# KiCad board rabbit_mask_capacitors.kicad_pcb (continued)
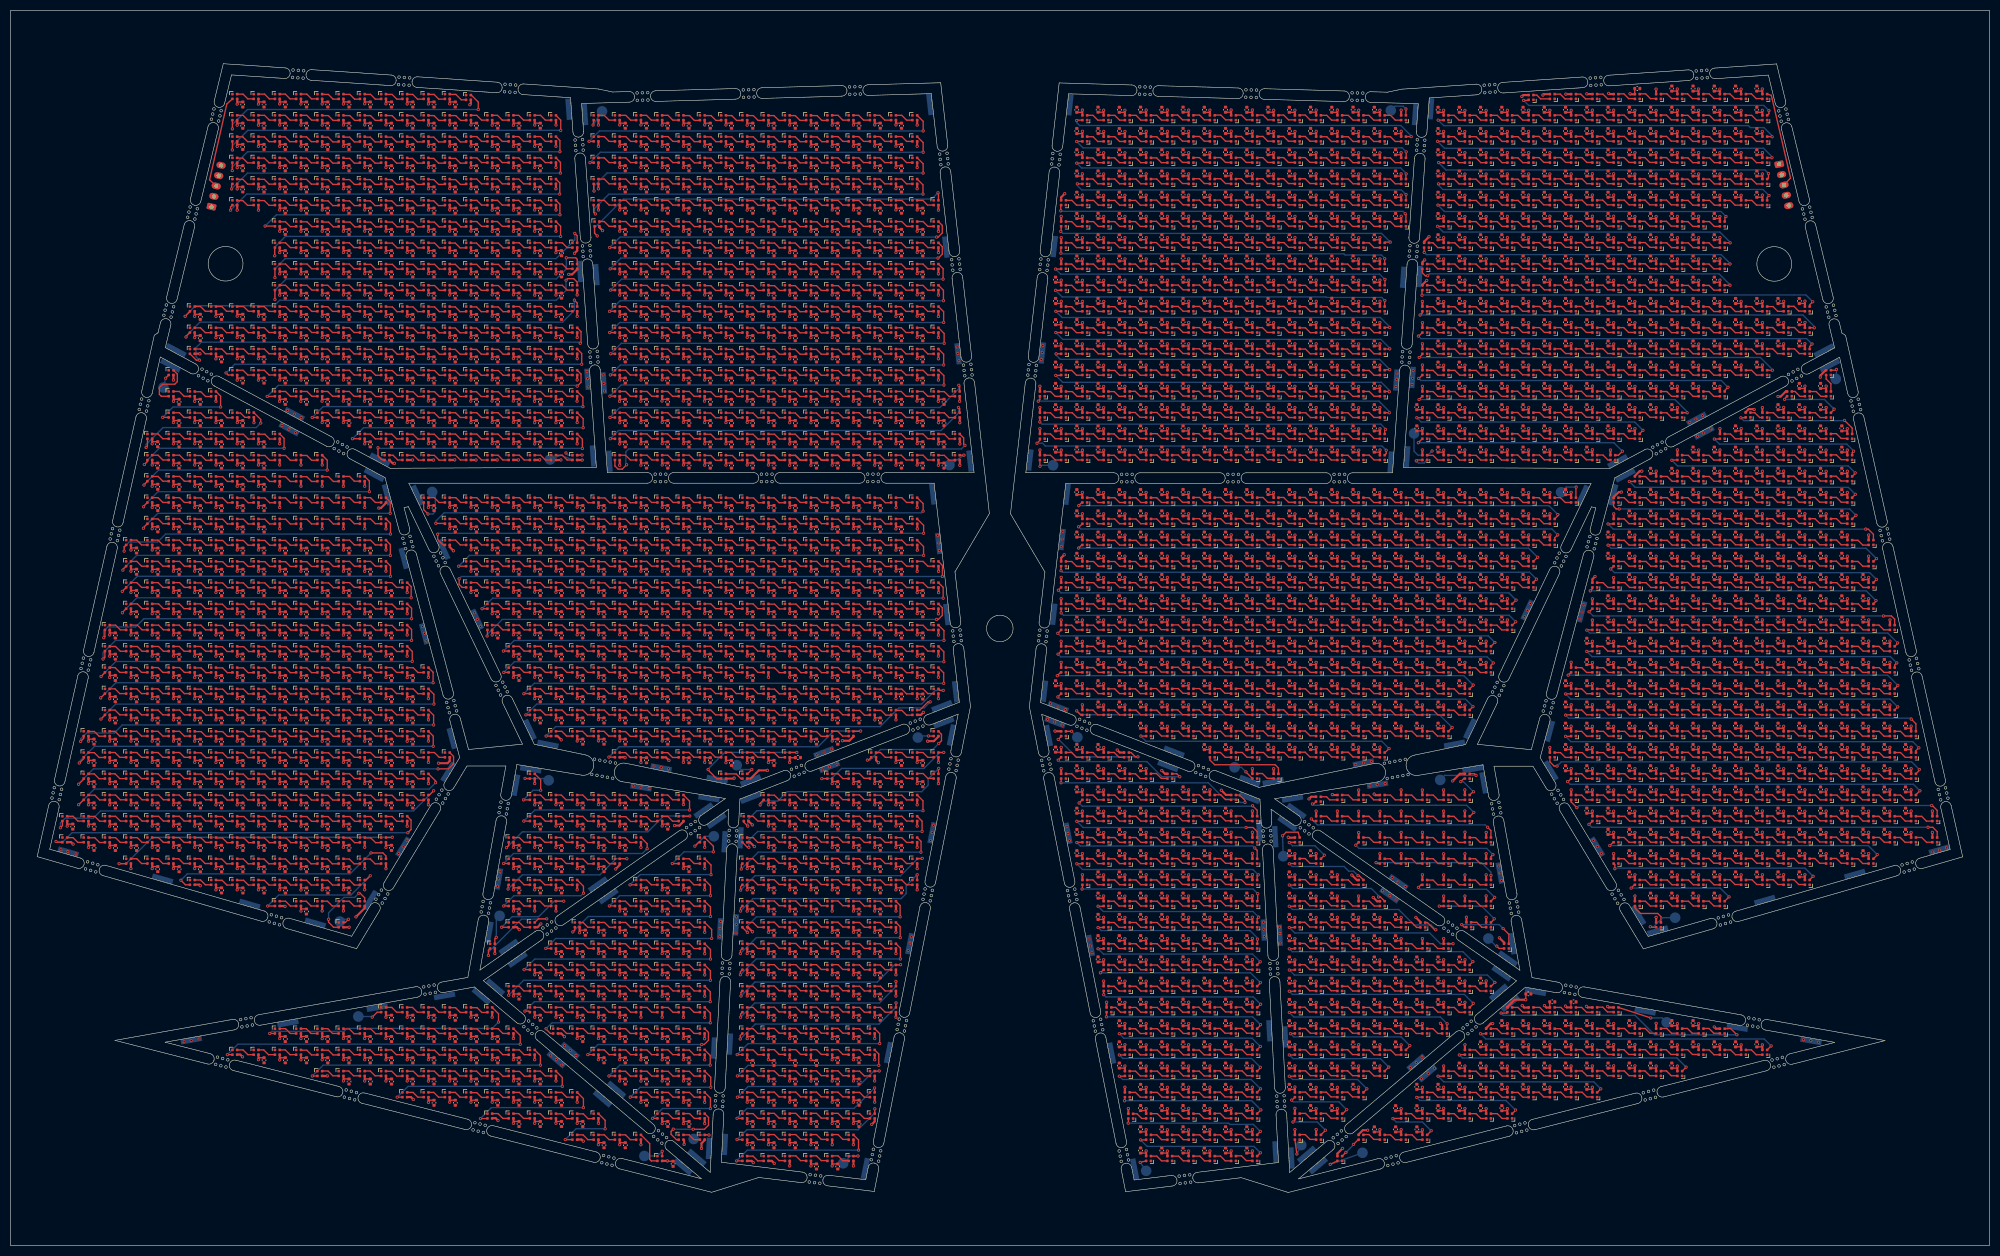
[diagram p0: board, top side]
## Routing (per net, layer and track width the routed paths; a pad name or vN(x,y) marks a point on that pad's centre or on a via; arc(x,y) is an arc through that point) (continued)
 ; 150.65,83.94 v1(150.65,82.96) ; 102.65,23.96 v1(102.65,22.99) ; 162.65,187.96 v1(162.65,186.99) ; D2900.2 v1(253.75,33.79) ; 146.65,139.94 v1(146.65,138.96) ; D2931.2 v1(289.75,29.79) ; 269.76,172.79 v1(269.76,173.76) ; 142.65,163.99 v1(142.65,163.01) ; D2808.2 v1(265.75,49.79) ; 269.76,136.79 v1(269.76,137.76) ; 158.65,155.94 v1(158.65,154.96) ; 245.75,28.79 v1(245.75,29.76) ; D2207.2 v1(285.75,129.79) ; 233.75,92.79 v1(233.75,93.76) ; D2118.2 v1(217.75,137.79) ; 201.75,104.81 v1(201.75,105.78) ; 58.65,175.94 v1(58.65,174.96) ; 353.76,84.82 v1(353.76,85.8) ; D1632.2 v1(221.75,197.79) ; 170.65,207.96 v1(170.65,206.99) ; 249.77,176.8 v1(249.77,177.77) ; 154.65,175.94 v1(154.65,174.96) ; 361.75,80.82 v1(361.75,81.8) ; 201.76,208.83 v1(201.76,209.81) ; 70.65,171.96 v1(70.65,170.99) ; 118.63,159.96 v1(118.63,158.99) ; 46.65,79.94 v1(46.65,78.96) ; 86.65,127.94 v1(86.65,126.96) ; 309.75,200.79 v1(309.75,201.76) ; 130.65,191.99 v1(130.65,191.01) ; 321.75,64.82 v1(321.75,65.8) ; 50.65,151.94 v1(50.65,150.96) ; 46.65,207.94 v1(46.65,206.96) ; 353.75,76.79 v1(353.75,77.76) ; 277.76,180.8 v1(277.76,181.78) ; D2868.2 v1(233.75,37.79) ; D2214.2 v1(325.75,129.79) ; 94.65,163.99 v1(94.65,163.01) ; 166.65,91.94 v1(166.65,90.96) ; 78.65,99.94 v1(78.65,98.96) ; 134.65,175.94 v1(134.65,174.96) ; 217.75,200.82 v1(217.75,201.8) ; 94.65,27.94 v1(94.65,26.96) ; D1096.2 v1(74.65,82.94) ; 70.65,207.99 v1(70.65,207.01) ; 273.76,172.79 v1(273.76,173.76) ; 197.75,96.82 196.64,96.82 v1(196.6,96.86) ; 98.65,31.94 v1(98.65,30.96) ; 62.65,155.94 v1(62.65,154.96) ; 142.65,135.94 v1(142.65,134.96) ; 66.65,31.94 v1(66.65,30.96) ; 154.67,115.94 v1(154.67,114.96) ; 205.75,204.79 v1(205.75,205.76) ; 221.76,152.82 v1(221.76,153.8) ; D2878.2 v1(285.75,37.79) ; 265.75,120.79 v1(265.75,121.76) ; 98.62,159.94 v1(98.62,158.96) ; 273.76,88.82 272.81,88.82 v1(271.45,87.46) ; 118.65,51.94 v1(118.65,50.96) ; 170.65,87.94 v1(170.65,86.96) ; 221.75,172.82 v1(221.75,173.8) ; 62.65,123.94 v1(62.65,122.96) ; 26.65,83.94 v1(26.65,82.96) ; 253.75,124.8 v1(253.75,125.77) ; 126.65,127.96 v1(126.65,126.99) ; 46.65,123.94 v1(46.65,122.96) ; 42.65,195.94 v1(42.65,194.96) ; 62.65,83.94 v1(62.65,82.96) ; 34.65,87.94 v1(34.65,86.96) ; 154.65,55.94 v1(154.65,54.96) ; D1038.2 v1(70.65,90.94) ; 138.65,103.96 v1(138.65,102.99) ; 221.75,200.82 v1(221.75,201.8) ; 261.75,24.79 v1(261.75,25.76) ; D2791.2 v1(265.75,53.79) ; 138.65,199.94 v1(138.65,198.96) ; 197.75,172.82 v1(197.75,173.8) ; D1359.2 v1(82.65,38.94) ; 98.65,71.94 v1(98.65,70.96) ; 58.65,191.96 v1(58.65,190.99) ; 174.65,111.96 v1(174.65,110.99) ; D1341.2 v1(126.65,42.94) ; 257.75,204.79 v1(257.75,205.76) ; 50.65,83.94 v1(50.65,82.96) ; 237.75,100.8 v1(237.75,101.77) ; 154.65,75.94 v1(154.65,74.96) ; 237.75,212.8 v1(237.75,213.77) ; 34.65,71.94 v1(34.65,70.96) ; 209.77,176.82 v1(209.77,177.8) ; 106.65,115.96 v1(106.65,114.99) ; 341.75,96.8 v1(341.75,97.78) ; 130.65,187.96 v1(130.65,186.99) ; 253.75,96.79 v1(253.75,97.76) ; 321.75,200.79 v1(321.75,201.76) ; 126.65,35.94 v1(126.65,34.96) ; 301.76,172.79 v1(301.76,173.76) ; 70.65,199.99 v1(70.65,199.01) ; 341.75,160.85 v1(341.75,161.82) ; 309.75,144.84 v1(309.75,145.81) ; 301.76,160.79 v1(301.76,161.77) ; 257.75,124.82 v1(257.75,125.8) ; 166.65,211.99 v1(166.65,211.01) ; 321.76,180.8 v1(321.76,181.78) ; 337.75,156.84 v1(337.75,157.81) ; 50.65,187.94 v1(50.65,186.96) ; 78.65,195.96 v1(78.65,194.99) ; 46.65,115.94 v1(46.65,114.96) ; D2620.2 v1(317.75,81.79) ; 118.65,95.96 v1(118.65,94.99) ; 98.65,119.99 v1(98.65,119.01) ; D1861.2 v1(213.75,169.79) ; 138.65,155.96 v1(138.65,154.99) ; 209.75,68.79 v1(209.75,69.76) ; 221.75,76.8 v1(221.75,77.78) ; 281.74,208.81 v1(281.74,209.79) ; 205.75,112.78 v1(205.75,113.75) ; 217.75,20.79 v1(217.75,21.76) ; 94.65,139.96 v1(94.65,138.99) ; v1(91.75,23.51) 91.3,23.96 90.65,23.96 ; 253.75,212.8 v1(253.75,213.77) ; 86.65,195.99 v1(86.65,195.01) ; D2686.2 v1(317.75,73.79) ; D1614.2 v1(289.75,201.79) ; 70.65,183.96 v1(70.65,182.99) ; 301.75,112.79 v1(301.75,113.76) ; 62.62,159.96 v1(62.62,158.99) ; D897.2 v1(74.65,106.94) ; 285.75,212.79 v1(285.75,213.77) ; 122.65,151.96 v1(122.65,150.99) ; 106.65,155.94 v1(106.65,154.96) ; 341.74,92.77 v1(341.74,93.74) ; 102.65,179.94 v1(102.65,178.96) ; D2602.2 v1(217.75,81.79) ; 325.75,212.77 v1(325.75,213.74) ; 249.75,16.79 249.75,17.29 v1(250.72,18.26) ; 229.76,180.83 v1(229.76,181.8) ; 114.65,59.94 v1(114.65,58.96) ; 237.75,108.8 v1(237.75,109.77) ; 309.75,104.83 v1(309.75,105.81) ; 170.65,151.96 v1(170.65,150.99) ; 237.75,88.8 v1(237.75,89.77) ; 233.75,160.79 v1(233.75,161.76) ; 30.65,87.94 v1(30.65,86.96) ; 309.75,96.8 v1(309.75,97.78) ; 297.76,188.8 v1(297.76,189.77) ; 62.65,63.96 v1(62.65,62.99) ; 142.65,195.94 v1(142.65,194.96) ; 269.75,96.79 v1(269.75,97.76) ; 126.65,47.89 v1(126.65,46.92) ; 122.65,119.94 v1(122.65,118.96) ; 233.75,116.79 v1(233.75,117.76) ; 54.65,179.94 v1(54.65,178.96) ; D2688.2 v1(325.75,73.79) ; 166.65,43.94 v1(166.65,42.96) ; 321.75,204.81 v1(321.75,205.78) ; 130.65,115.96 v1(130.65,114.99) ; 225.75,164.83 v1(225.75,165.8) ; 150.65,71.94 v1(150.65,70.96) ; 321.74,216.78 v1(321.74,217.75) ; D2777.2 v1(205.75,53.79) ; 158.67,107.94 v1(158.67,106.96) ; 114.65,163.94 v1(114.65,162.96) ; 217.75,40.79 v1(217.75,41.76) ; 317.75,212.79 v1(317.75,213.77) ; 273.75,72.78 v1(273.75,73.75) ; 142.65,47.94 v1(142.65,46.96) ; 301.76,188.8 v1(301.76,189.77) ; 257.75,196.79 v1(257.75,197.76) ; 126.65,139.96 v1(126.65,138.99) ; 233.75,52.84 v1(233.75,53.81) ; 289.76,136.81 v1(289.76,137.79) ; 18.65,79.94 v1(18.65,78.96) ; 357.75,76.79 v1(357.75,77.76) ; 62.65,39.94 v1(62.65,38.96) ; 217.74,64.82 v1(217.74,65.8) ; 293.75,148.86 v1(293.75,149.84) ; 102.65,183.94 v1(102.65,182.96) ; 118.65,119.99 v1(118.65,119.01) ; D1621.2 v1(317.75,201.79) ; 54.65,131.94 v1(54.65,130.96) ; D970.2 v1(74.65,98.94) ; 205.75,212.8 v1(205.75,213.77) ; 118.65,55.94 v1(118.65,54.96) ; 150.65,103.96 v1(150.65,102.99) ; D1620.2 v1(313.75,201.79) ; 333.76,88.8 v1(333.76,89.77) ; 158.65,83.94 v1(158.65,82.96) ; 229.75,204.84 v1(229.75,205.81) ; 54.65,99.94 v1(54.65,98.96) ; 281.76,172.81 v1(281.76,173.79) ; 142.65,199.94 v1(142.65,198.96) ; D2893.2 v1(221.75,33.79) ; 249.75,96.79 v1(249.75,97.76) ; 201.75,168.79 v1(201.75,169.76) ; 118.65,63.94 v1(118.65,62.96) ; D2742.2 v1(205.75,61.79) ; 249.75,160.79 v1(249.75,161.76) ; 313.74,216.8 v1(313.74,217.78) ; D1932.2 v1(217.75,161.79) ; 130.65,167.96 v1(130.65,166.99) ; 158.65,55.94 v1(158.65,54.96) ; D2508.2 v1(197.75,93.79) ; 30.65,99.94 v1(30.65,98.96) ; 229.75,108.85 v1(229.75,109.82) ; 78.62,147.9 v1(79.59,147.9) ; D2946.2 v1(269.75,25.79) ; 130.65,31.94 v1(130.65,30.96) ; 309.75,68.79 v1(309.75,69.76) ; 162.65,199.99 v1(162.65,199.01) ; D2269.2 v1(241.75,121.79) ; D2213.2 v1(321.75,129.79) ; 305.75,36.84 v1(305.75,37.81) ; 22.65,91.94 v1(22.65,90.96) ; 261.75,48.79 v1(261.75,49.76) ; 26.65,131.94 v1(26.65,130.96) ; 313.74,92.79 v1(313.74,93.77) ; 166.65,155.94 v1(166.65,154.96) ; 162.65,179.96 v1(162.65,178.99) ; 146.65,211.96 v1(146.65,210.99) ; 74.65,123.94 v1(74.65,122.96) ; 74.65,91.94 v1(74.65,90.96) ; 130.65,135.96 v1(130.65,134.99) ; 158.65,199.96 v1(158.65,198.99) ; 245.72,84.49 244.8,84.49 v1(244.4,84.09) ; 317.75,124.79 v1(317.75,125.76) ; 221.76,192.83 v1(221.76,193.81) ; 102.65,187.94 v1(102.65,186.96) ; 118.65,135.94 v1(118.65,134.96) ; 142.65,59.94 v1(142.65,58.96) ; 54.65,107.94 v1(54.65,106.96) ; 82.65,191.99 v1(82.65,191.01) ; 217.76,152.82 v1(217.76,153.8) ; 154.65,35.94 v1(154.65,34.96) ; 54.65,143.94 v1(54.65,142.96) ; D2565.2 v1(201.75,85.79) ; 138.65,191.94 v1(138.65,190.96) ; 166.65,71.94 v1(166.65,70.96) ; 18.65,87.94 v1(18.65,86.96) ; 82.65,151.94 v1(82.65,150.96) ; 293.76,188.85 v1(293.76,189.82) ; 265.76,76.82 v1(265.76,77.8) ; 197.75,112.8 v1(197.75,113.78) ; 321.75,192.8 v1(321.75,193.77) ; 94.65,111.94 v1(94.65,110.96) ; 353.76,112.82 v1(353.76,113.8) ; 142.65,95.96 v1(142.65,94.99) ; 257.75,108.82 v1(257.75,109.8) ; D2476.2 v1(213.75,97.79) ; D1258.2 v1(63.73,59.91) ; 205.76,188.79 v1(205.76,189.76) ; 349.75,80.79 v1(349.75,81.76) ; 78.65,199.96 v1(78.65,198.99) ; D567.2 v1(118.65,146.94) ; 74.65,191.96 v1(74.65,190.99) ; 90.65,119.94 v1(90.65,118.96) ; 301.75,96.78 v1(301.75,97.75) ; D1159.2 v1(54.65,74.94) ; 166.65,203.99 v1(166.65,203.01) ; 54.65,195.96 v1(54.65,194.99) ; D2668.2 v1(213.75,73.79) ; 82.65,215.96 v1(82.65,214.99) ; 162.65,75.94 v1(162.65,74.96) ; D1660.2 v1(197.75,193.79) ; 130.65,131.96 v1(130.65,130.99) ; D2196.2 v1(241.75,129.79) ; 58.65,63.96 v1(58.65,62.99) ; 281.75,212.79 v1(281.75,213.77) ; 90.65,31.94 v1(90.65,30.96) ; 245.74,140.82 v1(245.74,141.8) ; 317.75,120.79 v1(317.75,121.76) ; 66.62,159.96 v1(66.62,158.99) ; 241.75,60.79 v1(241.75,61.76) ; 233.75,128.79 v1(233.75,129.76) ; 110.65,83.99 v1(110.65,83.01) ; 201.75,212.82 v1(201.75,213.8) ; 170.65,163.99 v1(170.65,163.01) ; 297.75,96.78 v1(297.75,97.75) ; 225.76,152.85 v1(225.76,153.82) ; 317.75,104.81 v1(317.75,105.78) ; 58.65,195.96 v1(58.65,194.99) ; 150.65,207.96 v1(150.65,206.99) ; 241.75,136.79 v1(241.75,137.76) ; 118.65,191.99 v1(118.65,191.01) ; D2105.2 v1(313.75,141.79) ; D2788.2 v1(253.75,53.79) ; D2794.2 v1(205.75,49.79) ; 241.76,208.81 v1(241.76,209.78) ; 50.65,171.94 v1(50.65,170.96) ; 106.65,23.96 v1(106.65,22.99) ; 38.65,155.94 v1(38.65,154.96) ; 90.65,171.99 v1(90.65,171.01) ; 114.65,203.99 v1(114.65,203.01) ; 90.65,115.94 v1(90.65,114.96) ; 293.75,204.83 v1(293.75,205.81) ; 269.75,68.79 v1(269.75,69.76) ; 281.75,192.82 v1(281.75,193.8) ; 30.65,95.94 v1(30.65,94.96) ; 261.75,44.79 v1(261.75,45.76) ; 345.74,152.83 v1(345.74,153.81) ; 62.65,215.94 v1(62.65,214.96) ; D2896.2 v1(233.75,33.79) ; D1043.2 v1(118.65,90.94) ; D2735.2 v1(273.75,65.79) ; 229.75,128.84 v1(229.75,129.81) ; 78.65,187.99 v1(78.65,187.01) ; D1193.2 v1(70.65,70.94) ; 154.65,127.94 v1(154.65,126.96) ; 313.76,188.8 v1(313.76,189.77) ; D2241.2 v1(277.75,125.79) ; 94.65,191.94 v1(94.65,190.96) ; 329.75,212.79 v1(329.75,213.77) ; 162.65,47.94 v1(162.65,46.96) ; D1198.2 v1(110.65,70.94) ; 213.75,32.79 v1(213.75,33.76) ; 309.75,64.8 v1(309.75,65.77) ; D2201.2 v1(261.75,129.79) ; 22.65,127.94 v1(22.65,126.96) ; 329.75,80.84 v1(329.75,81.81) ; 126.65,183.99 v1(126.65,183.01) ; D2400.2 v1(341.75,109.79) ; 317.76,100.79 v1(317.76,101.76) ; D2756.2 265.38,60.91 v1(264.52,61.76) ; 170.65,79.94 v1(170.65,78.96) ; D2670.2 v1(221.75,73.79) ; 126.65,203.96 v1(126.65,202.99) ; 241.74,64.8 v1(241.74,65.77) ; 273.74,80.84 v1(273.74,81.81) ; 110.65,39.94 v1(110.65,38.96) ; 166.65,195.99 v1(166.65,195.01) ; 309.76,136.81 v1(309.76,137.79) ; 229.75,136.84 v1(229.75,137.81) ; 154.65,163.96 v1(154.65,162.99) ; 150.65,139.94 v1(150.65,138.96) ; D2261.2 v1(209.75,121.79) ; 106.65,131.99 v1(106.65,131.01) ; 154.65,103.99 v1(154.65,103.01) ; 205.77,176.8 v1(205.77,177.77) ; D2206.2 v1(281.75,129.79) ; D579.2 v1(166.65,146.94) ; 321.75,132.79 v1(321.75,133.76) ; 78.65,183.99 v1(78.65,183.01) ; D2764.2 v1(221.75,57.79) ; 257.75,56.79 v1(257.75,57.76) ; D2263.2 v1(217.75,121.79) ; 249.75,116.79 v1(249.75,117.76) ; 154.65,87.94 v1(154.65,86.96) ; D1655.2 v1(317.75,197.79) ; 162.65,131.96 v1(162.65,130.99) ; D2872.2 v1(253.75,37.79) ; 150.65,119.94 v1(150.65,118.96) ; 269.75,72.78 v1(269.75,73.75) ; 297.75,112.79 v1(297.75,113.76) ; 106.65,67.94 v1(106.65,66.96) ; 70.65,203.99 v1(70.65,203.01) ; D2183.2 v1(345.75,133.79) ; 281.75,204.83 v1(281.75,205.81) ; 305.76,168.79 v1(305.76,169.76) ; D1658.2 v1(329.75,197.79) ; D2908.2 v1(293.75,33.79) ; 197.75,88.82 v1(197.75,89.8) ; 110.65,47.94 v1(110.65,46.96) ; 50.65,111.94 v1(50.65,110.96) ; 205.76,208.81 v1(205.76,209.78) ; 98.65,211.96 v1(98.65,210.99) ; 257.75,136.79 v1(257.75,137.76) ; 166.65,67.94 v1(166.65,66.96) ; 281.75,40.79 v1(281.75,41.76) ; 305.74,208.79 v1(305.74,209.76) ; 158.65,59.94 v1(158.65,58.96) ; D1939.2 v1(245.75,161.79) ; D2711.2 v1(277.75,69.79) ; 293.75,212.79 v1(293.75,213.77) ; 166.65,107.94 v1(166.65,106.96) ; D2351.2 v1(277.75,113.79) ; 70.65,123.94 v1(70.65,122.96) ; D2881.2 v1(297.75,37.79) ; 70.65,83.94 v1(70.65,82.96) ; 118.65,183.96 v1(118.65,182.99) ; 321.74,92.82 v1(321.74,93.79) ; 90.65,131.99 v1(90.65,131.01) ; 241.75,104.83 v1(241.75,105.81) ; 281.75,176.8 v1(281.75,177.78) ; 82.62,147.92 v1(83.59,147.92) ; 273.76,76.85 v1(273.76,77.82) ; 313.76,136.81 v1(313.76,137.79) ; 213.75,88.82 v1(213.75,89.8) ; 34.65,139.94 v1(34.65,138.96) ; 154.65,139.94 v1(154.65,138.96) ; 229.75,76.83 v1(229.75,77.8) ; 305.75,104.83 v1(305.75,105.81) ; D2669.2 v1(217.75,73.79) ; 98.65,99.94 v1(98.65,98.96) ; 38.65,87.94 v1(38.65,86.96) ; 150.65,147.89 v1(150.65,146.91) ; 146.65,119.99 v1(146.65,119.01) ; 46.65,151.94 v1(46.65,150.96) ; 114.65,99.96 v1(114.65,98.99) ; 241.75,52.79 v1(241.75,53.76) ; D1966.2 v1(213.75,157.79) ; 285.76,180.8 v1(285.76,181.78) ; D2887.2 v1(321.75,37.79) ; 241.76,152.82 v1(241.76,153.8) ; 78.65,207.96 v1(78.65,206.99) ; 170.65,119.96 v1(170.65,118.99) ; 14.65,95.94 v1(14.65,94.96) ; 126.66,51.91 v1(126.66,50.94) ; 54.65,103.94 v1(54.65,102.96) ; 126.65,115.94 v1(126.65,114.96) ; D2829.2 281.75,44.91 283.1,46.26 v1(285.2,46.26) ; 221.76,184.8 v1(221.76,185.78) ; 70.65,151.94 v1(70.65,150.96) ; 321.75,104.83 v1(321.75,105.81) ; 205.76,180.78 v1(205.76,181.75) ; 98.65,139.96 v1(98.65,138.99) ; 245.75,36.79 v1(245.75,37.76) ; 249.75,36.79 v1(249.75,37.76) ; 54.65,83.94 v1(54.65,82.96) ; 285.76,136.81 v1(285.76,137.79) ; 174.65,147.89 v1(174.65,146.91) ; 26.65,75.94 v1(26.65,74.96) ; 50.65,123.94 v1(50.65,122.96) ; 154.65,187.96 v1(154.65,186.99) ; 62.65,187.96 v1(62.65,186.99) ; 94.65,155.96 v1(94.65,154.99) ; D2812.2 v1(206.3,45.79) ; 249.75,212.82 v1(249.75,213.8) ; 174.65,191.94 v1(174.65,190.96) ; 201.76,184.78 v1(201.76,185.75) ; 257.75,60.79 v1(257.75,61.76) ; 118.65,83.96 v1(118.65,82.99) ; 86.65,43.94 v1(86.65,42.96) ; 150.65,183.94 v1(150.65,182.96) ; 337.75,76.79 v1(337.75,77.76) ; 174.65,179.94 v1(174.65,178.96) ; 205.75,160.79 v1(205.75,161.76) ; D2278.2 v1(277.75,121.79) ; 50.65,143.94 v1(50.65,142.96) ; D2577.2 v1(261.75,85.79) ; D2512.2 v1(225.75,93.79) ; 94.65,175.96 v1(94.65,174.99) ; D2300.2 v1(221.75,117.79) ; 74.65,187.99 v1(74.65,187.01) ; 297.74,92.77 v1(297.74,93.74) ; 325.76,88.85 v1(325.76,89.82) ; 333.75,72.84 v1(333.75,73.81) ; 18.65,115.94 v1(18.65,114.96) ; 142.65,115.96 v1(142.65,114.99) ; 122.65,67.94 v1(122.65,66.96) ; 166.65,51.94 v1(166.65,50.96) ; D1647.2 v1(285.75,197.79) ; 329.74,216.8 v1(329.74,217.78) ; D1630.2 v1(213.75,197.79) ; 142.65,147.94 v1(142.65,146.96) ; 122.65,103.99 v1(122.65,103.01) ; 273.76,100.79 v1(273.76,101.76) ; 154.65,99.99 v1(154.65,99.01) ; 42.65,207.94 v1(42.65,206.96) ; 42.65,171.96 v1(42.65,170.99) ; 217.76,148.81 v1(217.76,149.79) ; 86.65,183.96 v1(86.65,182.99) ; 138.65,131.99 v1(138.65,131.01) ; 10.65,75.94 11.37,75.94 v1(11.75,75.56) ; 233.75,100.85 v1(233.75,101.82) ; 130.65,67.94 v1(130.65,66.96) ; 58.65,111.94 v1(58.65,110.96) ; 46.65,195.94 v1(46.65,194.96) ; 305.76,84.82 v1(305.76,85.8) ; D2933.2 v1(297.75,29.79) ; D1933.2 v1(221.75,161.79) ; 122.65,123.94 v1(122.65,122.96) ; 229.75,20.81 v1(229.75,21.79) ; 122.65,191.96 v1(122.65,190.99) ; D1566.2 v1(221.75,205.79) ; 142.65,151.96 v1(142.65,150.99) ; 26.65,135.94 v1(26.65,134.96) ; 297.75,116.78 v1(297.75,117.75) ; D337.2 v1(174.65,174.94) ; D1380.2 v1(50.65,34.94) ; 94.65,199.94 v1(94.65,198.96) ; 313.75,104.81 v1(313.75,105.78) ; D894.2 v1(62.65,106.94) ; 225.75,172.85 v1(225.75,173.82) ; 321.75,176.78 v1(321.75,177.75) ; 273.76,156.8 v1(273.76,157.77) ; 150.65,203.96 v1(150.65,202.99) ; 30.65,71.94 v1(30.65,70.96) ; D1967.2 v1(217.75,157.79) ; 114.65,51.94 v1(114.65,50.96) ; D2104.2 v1(309.75,141.79) ; 138.65,187.99 v1(138.65,187.01) ; 261.76,132.81 v1(261.76,133.79) ; 122.65,179.99 v1(122.65,179.01) ; 142.65,155.96 v1(142.65,154.99) ; v1(139.62,79.19) D1139.2 ; D1035.2 v1(58.65,90.94) ; D2392.2 v1(309.75,109.79) ; 66.65,103.94 v1(66.65,102.96) ; 309.75,116.8 v1(309.75,117.78) ; 285.75,40.79 v1(285.75,41.76) ; 261.75,104.83 v1(261.75,105.81) ; 66.65,135.94 v1(66.65,134.96) ; 110.65,43.94 v1(110.65,42.96) ; D530.2 v1(114.65,150.94) ; 209.76,180.8 v1(209.76,181.78) ; 78.65,35.94 v1(78.65,34.96) ; 249.75,40.79 v1(249.75,41.76) ; 269.76,184.79 v1(269.76,185.76) ; 146.65,47.94 v1(146.65,46.96) ; 233.75,204.84 v1(233.75,205.81) ; 237.75,204.79 v1(237.75,205.76) ; 126.65,71.94 v1(126.65,70.96) ; 154.65,27.94 v1(154.65,26.96) ; 162.65,151.94 v1(162.65,150.96) ; 154.65,31.94 v1(154.65,30.96) ; 213.76,192.83 v1(213.76,193.81) ; 265.75,40.79 v1(265.75,41.76) ; 50.65,139.94 v1(50.65,138.96) ; 353.76,104.82 v1(353.76,105.8) ; D2189.2 v1(213.75,129.79) ; 150.67,127.94 v1(150.67,126.96) ; 90.65,211.94 v1(90.65,210.96) ; 138.65,111.96 v1(138.65,110.99) ; D2277.2 v1(273.75,121.79) ; 229.74,140.85 v1(229.74,141.82) ; 265.75,128.79 v1(265.75,129.76) ; 14.65,75.94 v1(14.65,74.96) ; 174.65,163.94 v1(174.65,162.96) ; 146.65,195.96 v1(146.65,194.99) ; 166.65,59.94 v1(166.65,58.96) ; 221.75,212.82 v1(221.75,213.8) ; D319.2 v1(98.65,174.94) ; 102.65,75.94 v1(102.65,74.96) ; D1561.2 v1(201.75,205.79) ; 257.77,176.82 v1(257.77,177.8) ; 305.76,164.79 v1(305.76,165.76) ; 94.65,63.94 v1(94.65,62.96) ; 22.65,75.94 v1(22.65,74.96) ; 114.65,127.99 v1(114.65,127.01) ; 273.75,104.83 v1(273.75,105.81) ; 317.75,96.8 v1(317.75,97.78) ; 106.65,139.99 v1(106.65,139.01) ; 249.74,64.82 v1(249.74,65.8) ; 130.65,183.96 v1(130.65,182.99) ; 94.65,115.96 v1(94.65,114.99) ; 26.65,103.94 v1(26.65,102.96) ; 126.65,195.96 v1(126.65,194.99) ; 166.65,191.99 v1(166.65,191.01) ; 237.76,208.81 v1(237.76,209.78) ; 265.76,160.82 v1(265.76,161.79) ; 201.75,88.8 v1(201.75,89.77) ; 42.65,167.96 v1(42.65,166.99) ; D2759.2 v1(309.75,61.79) ; 102.65,211.96 v1(102.65,210.99) ; 217.76,208.83 v1(217.76,209.81) ; 50.65,87.94 v1(50.65,86.96) ; 50.65,207.96 v1(50.65,206.99) ; 241.75,212.8 v1(241.75,213.77) ; 86.65,27.94 v1(86.65,26.96) ; 62.65,179.96 v1(62.65,178.99) ; 34.65,75.94 v1(34.65,74.96) ; 313.76,164.81 v1(313.76,165.79) ; D1.2 v1(42.65,214.94) ; D2114.2 v1(201.75,137.79) ; 353.76,116.81 v1(353.76,117.79) ; 146.65,19.94 v1(146.65,18.96) ; 74.65,31.94 v1(74.65,30.96) ; 66.65,79.94 v1(66.65,78.96) ; 245.76,188.81 v1(245.76,189.79) ; 229.75,164.83 v1(229.75,165.8) ; 221.75,124.82 v1(221.75,125.8) ; 309.75,40.84 v1(309.75,41.81) ; 62.65,195.96 v1(62.65,194.99) ; 245.75,112.8 v1(245.75,113.78) ; D1968.2 v1(221.75,157.79) ; 58.65,143.94 v1(58.65,142.96) ; 34.65,155.94 v1(34.65,154.96) ; 30.65,115.94 v1(30.65,114.96) ; 233.75,68.84 v1(233.75,69.81) ; 94.65,127.99 v1(94.65,127.01) ; 106.65,79.96 v1(106.65,78.99) ; 329.76,88.8 v1(329.76,89.77) ; D2856.2 v1(301.75,41.79) ; 114.65,43.94 v1(114.65,42.96) ; 142.65,99.96 v1(142.65,98.99) ; D2687.2 v1(321.75,73.79) ; 102.65,31.94 v1(102.65,30.96) ; 30.65,159.94 v1(30.65,158.96) ; v1(72.25,147.29) 71.92,147.29 D556.2 ; 162.65,203.99 v1(162.65,203.01) ; D2604.2 v1(225.75,81.79) ; D2108.2 v1(325.75,141.79) ; 154.62,159.96 v1(154.62,158.99) ; v1(51.65,63.84) 51.58,63.91 D1237.2 ; 118.65,67.94 v1(118.65,66.96) ; 158.65,127.94 v1(158.65,126.96) ; 130.65,163.96 v1(130.65,162.99) ; 237.76,180.78 v1(237.76,181.75) ; 261.75,52.79 v1(261.75,53.76) ; 158.65,87.94 v1(158.65,86.96) ; D2309.2 v1(257.75,117.79) ; 253.75,204.79 v1(253.75,205.76) ; 42.65,211.94 v1(42.65,210.96) ; 18.65,91.94 v1(18.65,90.96) ; 233.75,88.8 v1(233.75,89.77) ; 217.75,36.79 v1(217.75,37.76) ; 50.65,183.94 v1(50.65,182.96) ; 329.75,104.84 v1(329.75,105.81) ; 321.75,96.83 v1(321.75,97.8) ; D2125.2 v1(245.75,137.79) ; 14.65,91.94 v1(14.65,90.96) ; 289.74,208.81 v1(289.74,209.79) ; 150.65,187.94 v1(150.65,186.96) ; 325.75,116.8 v1(325.75,117.78) ; 241.75,24.84 v1(241.75,25.81) ; 253.74,140.8 v1(253.74,141.77) ; 134.65,195.99 v1(134.65,195.01) ; 110.65,131.99 v1(110.65,131.01) ; 297.76,152.88 v1(297.76,153.86) ; 74.65,39.94 v1(74.65,38.96) ; D2675.2 v1(245.75,73.79) ; 94.65,119.96 v1(94.65,118.99) ; 277.75,212.77 v1(277.75,213.74) ; 293.74,92.77 v1(293.74,93.74) ; 70.65,187.96 v1(70.65,186.99) ; 237.75,124.8 v1(237.75,125.77) ; 317.76,160.79 v1(317.76,161.77) ; 269.75,128.79 v1(269.75,129.76) ; 281.76,164.81 v1(281.76,165.79) ; 309.75,72.79 v1(309.75,73.76) ; D2071.2 v1(321.75,145.79) ; 237.75,168.79 v1(237.75,169.76) ; 142.65,127.99 v1(142.65,127.01) ; 269.75,204.83 v1(269.75,205.81) ; D2291.2 v1(341.75,121.79) ; 58.65,215.94 v1(58.65,214.96) ; D2031.2 v1(193.75,149.79) ; 309.75,204.81 v1(309.75,205.78) ; 86.65,187.96 v1(86.65,186.99) ; 42.65,139.94 v1(42.65,138.96) ; 146.65,55.94 v1(146.65,54.96) ; D2254.2 v1(337.75,125.79) ; 293.76,156.85 v1(293.76,157.82) ; 130.65,59.94 v1(130.65,58.96) ; 233.75,120.79 v1(233.75,121.76) ; 158.65,167.96 v1(158.65,166.99) ; 50.65,39.94 v1(50.65,38.96) ; 110.65,107.96 v1(110.65,106.99) ; 325.74,92.77 v1(325.74,93.74) ; 309.75,36.79 v1(309.75,37.76) ; 154.65,171.96 v1(154.65,170.99) ; 209.76,188.81 v1(209.76,189.79) ; 209.75,212.8 v1(209.75,213.77) ; 122.65,147.94 v1(122.65,146.96) ; 297.75,200.84 v1(297.75,201.81) ; 98.65,187.94 v1(98.65,186.96) ; 329.74,148.8 v1(329.74,149.78) ; 126.65,103.99 v1(126.65,103.01) ; 62.65,139.94 v1(62.65,138.96) ; 126.65,163.99 v1(126.65,163.01) ; 58.65,99.94 v1(58.65,98.96) ; 114.65,191.99 v1(114.65,191.01) ; 58.65,71.94 v1(58.65,70.96) ; 273.76,136.79 v1(273.76,137.76) ; 281.75,32.79 v1(281.75,33.76) ; 30.65,151.94 v1(30.65,150.96) ; D2571.2 v1(225.75,85.79) ; 126.65,83.99 v1(126.65,83.01) ; 62.65,171.96 v1(62.65,170.99) ; 265.74,80.81 v1(265.74,81.79) ; 229.75,212.85 v1(229.75,213.82) ; 209.74,64.8 v1(209.74,65.77) ; 213.75,52.79 v1(213.75,53.76) ; 249.76,180.78 v1(249.76,181.75) ; D967.2 v1(62.65,98.94) ; D2435.2 v1(337.75,105.79) ; 249.75,128.79 v1(249.75,129.76) ; 114.65,83.96 v1(114.65,82.99) ; 98.65,43.94 v1(98.65,42.96) ; 150.65,179.94 v1(150.65,178.96) ; 345.76,104.82 v1(345.76,105.8) ; 82.65,195.99 v1(82.65,195.01) ; 166.65,207.99 v1(166.65,207.01) ; 138.65,171.99 v1(138.65,171.01) ; 150.65,99.96 v1(150.65,98.99) ; 285.76,172.81 v1(285.76,173.79) ; 213.74,64.8 v1(213.74,65.77) ; D2175.2 v1(313.75,133.79) ; 333.75,108.84 v1(333.75,109.81) ; 22.65,71.94 v1(22.65,70.96) ; D1565.2 v1(217.75,205.79) ; 114.65,63.94 v1(114.65,62.96) ; 106.65,83.99 v1(106.65,83.01) ; 154.65,135.94 v1(154.65,134.96) ; 205.75,156.79 v1(205.75,157.76) ; 313.76,88.82 v1(313.76,89.8) ; D2924.2 v1(253.75,29.79) ; 174.65,183.94 v1(174.65,182.96) ; 90.65,187.99 v1(90.65,187.01) ; 98.65,131.96 v1(98.65,130.99) ; D1431.2 v1(78.65,26.94) ; 50.65,163.94 v1(50.65,162.96) ; 281.76,184.81 v1(281.76,185.79) ; 106.65,175.94 v1(106.65,174.96) ; 54.65,203.96 v1(54.65,202.99) ; 122.65,99.99 v1(122.65,99.01) ; 317.75,108.79 v1(317.75,109.76) ; 213.76,148.81 v1(213.76,149.79) ; 154.65,71.94 v1(154.65,70.96) ; 98.65,51.94 v1(98.65,50.96) ; 114.65,135.94 v1(114.65,134.96) ; 162.65,119.94 v1(162.65,118.96) ; 241.75,164.8 v1(241.75,165.78) ; 225.75,160.84 v1(225.75,161.81) ; 146.65,167.94 v1(146.65,166.96) ; D1609.2 v1(269.75,201.79) ; 158.65,15.94 v1(158.65,14.96) ; 58.65,147.94 v1(58.65,146.96) ; 241.76,180.8 v1(241.76,181.78) ; 217.76,192.83 v1(217.76,193.81) ; D712.2 v1(66.65,126.94) ; 142.65,31.94 v1(142.65,30.96) ; 74.65,171.99 v1(74.65,171.01) ; D2432.2 v1(325.75,105.79) ; D2965.2 v1(225.75,17.79) ; D527.2 v1(98.65,150.94) ; D2568.2 v1(213.75,85.79) ; 70.65,119.94 v1(70.65,118.96) ; 329.75,108.84 v1(329.75,109.81) ; 74.65,167.99 v1(74.65,167.01) ; 78.65,175.96 v1(78.65,174.99) ; 58.65,103.94 v1(58.65,102.96) ; 14.65,87.94 v1(14.65,86.96) ; 269.76,152.83 v1(269.76,153.81) ; 62.65,167.96 v1(62.65,166.99) ; 253.75,200.8 v1(253.75,201.77) ; 237.75,200.8 v1(237.75,201.77) ; D1927.2 v1(197.75,161.79) ; 261.75,76.8 v1(261.75,77.78) ; 325.76,84.85 v1(325.76,85.82) ; 261.74,140.82 v1(261.74,141.8) ; D2653.2 v1(317.75,77.79) ; 118.65,35.94 v1(118.65,34.96) ; D2716.2 v1(321.75,69.79) ; 138.65,179.99 v1(138.65,179.01) ; 193.75,160.82 v1(193.75,161.8) ; 301.75,204.86 v1(301.75,205.83) ; 146.65,183.94 v1(146.65,182.96) ; 289.76,160.82 v1(289.76,161.79) ; 150.65,23.94 v1(150.65,22.96) ; 130.65,107.94 v1(130.65,106.96) ; 265.74,84.79 v1(265.74,85.77) ; 106.65,75.94 v1(106.65,74.96) ; 54.65,35.94 v1(54.65,34.96) ; 249.75,56.81 v1(249.75,57.79) ; 225.74,140.82 v1(225.74,141.8) ; 130.65,127.96 v1(130.65,126.99) ; 138.65,51.94 v1(138.65,50.96) ; 118.65,103.96 v1(118.65,102.99) ; 309.75,212.77 v1(309.75,213.74) ; 86.65,123.94 v1(86.65,122.96) ; 126.65,167.99 v1(126.65,167.01) ; 138.65,39.92 v1(138.65,38.95) ; 205.76,148.79 v1(205.76,149.76) ; 297.76,164.84 v1(297.76,165.81) ; 162.65,27.94 v1(162.65,26.96) ; 329.75,96.78 v1(329.75,97.75) ; D1169.2 v1(114.65,74.94) ; 126.65,91.94 v1(126.65,90.96) ; 142.65,191.94 v1(142.65,190.96) ; 54.65,123.94 v1(54.65,122.96) ; 309.76,188.82 v1(309.76,189.8) ; D1633.2 v1(225.75,197.79) ; 42.65,135.94 v1(42.65,134.96) ; 245.75,48.79 v1(245.75,49.76) ; D2926.2 v1(269.75,29.79) ; 325.76,172.81 v1(325.76,173.79) ; D2867.2 v1(229.75,37.79) ; 249.75,112.78 v1(249.75,113.75) ; 158.65,131.94 v1(158.65,130.96) ; 138.65,115.96 v1(138.65,114.99) ; 150.65,47.94 v1(150.65,46.96) ; 301.76,180.78 v1(301.76,181.75) ; 90.65,183.99 v1(90.65,183.01) ; 158.65,35.94 v1(158.65,34.96) ; 257.74,140.8 v1(257.74,141.77) ; 209.76,152.82 v1(209.76,153.8) ; D735.2 v1(170.65,126.94) ; 74.65,151.96 v1(74.65,150.99) ; 54.65,191.96 v1(54.65,190.99) ; 174.67,127.91 v1(174.67,126.94) ; 293.76,100.84 v1(293.76,101.81) ; 269.74,80.81 v1(269.74,81.79) ; D493.2 v1(102.65,154.94) ; 233.74,140.85 v1(233.74,141.82) ; 313.76,156.82 v1(313.76,157.8) ; 237.75,116.79 v1(237.75,117.76) ; 58.65,131.94 v1(58.65,130.96) ; 213.75,100.82 v1(213.75,101.8) ; 130.65,211.99 v1(130.65,211.01) ; 305.75,176.78 v1(305.75,177.75) ; 54.65,135.94 v1(54.65,134.96) ; 253.75,120.79 v1(253.75,121.76) ; 106.65,99.99 v1(106.65,99.01) ; 337.75,144.84 v1(337.75,145.81) ; D1049.2 v1(142.65,90.94) ; 277.76,188.82 v1(277.76,189.8) ; 86.65,151.94 v1(86.65,150.96) ; D576.2 v1(154.65,146.94) ; 170.65,179.99 v1(170.65,179.01) ; 229.74,64.82 v1(229.74,65.8) ; D2258.2 v1(197.75,121.79) ; 341.76,100.82 v1(341.76,101.8) ; 146.67,131.94 v1(146.67,130.96) ; D1649.2 v1(293.75,197.79) ; 245.75,104.83 v1(245.75,105.81) ; D2294.2 v1(197.75,117.79) ; 134.65,163.96 v1(134.65,162.99) ; D2297.2 v1(209.75,117.79) ; D510.2 v1(174.65,154.94) ; 249.76,152.8 v1(249.76,153.77) ; 205.74,64.82 v1(205.74,65.8) ; D2060.2 v1(321.75,149.79) ; 90.65,39.94 v1(90.65,38.96) ; D2745.2 v1(217.75,61.79) ; 333.76,100.85 v1(333.76,101.82) ; D2914.2 v1(209.75,29.79) ; 94.65,171.99 v1(94.65,171.01) ; 138.65,27.94 v1(138.65,26.96) ; 82.65,139.96 v1(82.65,138.99) ; 225.75,120.84 v1(225.75,121.81) ; 118.65,155.94 v1(118.65,154.96) ; D1572.2 v1(245.75,205.79) ; D1330.2 v1(78.65,42.94) ; 158.67,111.94 v1(158.67,110.96) ; 138.65,95.94 v1(138.65,94.96) ; D2354.2 v1(305.75,113.79) ; 241.75,124.82 v1(241.75,125.8) ; 50.65,79.94 v1(50.65,78.96) ; D307.2 v1(50.65,174.94) ; 297.76,172.84 v1(297.76,173.81) ; 325.75,196.79 v1(325.75,197.76) ; 22.65,95.94 v1(22.65,94.96) ; D1638.2 v1(245.75,197.79) ; 146.65,67.94 v1(146.65,66.96) ; 321.76,184.81 v1(321.76,185.79) ; 82.65,179.96 v1(82.65,178.99) ; 301.75,176.78 v1(301.75,177.75) ; 158.65,175.94 v1(158.65,174.96) ; 50.65,119.94 v1(50.65,118.96) ; 150.65,171.94 v1(150.65,170.96) ; D2783.2 v1(229.75,53.79) ; 134.65,191.99 v1(134.65,191.01) ; D2760.2 v1(205.75,57.79) ; 233.75,196.84 v1(233.75,197.81) ; 50.65,127.94 v1(50.65,126.96) ; 213.75,36.79 v1(213.75,37.76) ; 162.65,83.94 v1(162.65,82.96) ; 261.75,36.79 v1(261.75,37.76) ; D2274.2 v1(261.75,121.79) ; 46.65,139.94 v1(46.65,138.96) ; 106.65,43.94 v1(106.65,42.96) ; 66.65,171.96 v1(66.65,170.99) ; 102.65,135.96 v1(102.65,134.99) ; 309.74,208.79 v1(309.74,209.76) ; 333.75,76.84 v1(333.75,77.81) ; 309.76,180.8 v1(309.76,181.78) ; 245.75,164.8 v1(245.75,165.78) ; 253.74,64.82 v1(253.74,65.8) ; 86.65,191.99 v1(86.65,191.01) ; v1(320.7,41.14) 321.02,40.81 D2861.2 ; 118.65,43.94 v1(118.65,42.96) ; 34.65,123.94 v1(34.65,122.96) ; 201.75,124.8 v1(201.75,125.77) ; 305.75,76.79 v1(305.75,77.76) ; 134.62,159.96 v1(134.62,158.99) ; D2918.2 v1(225.75,29.79) ; 329.75,116.83 v1(329.75,117.8) ; 154.65,151.94 v1(154.65,150.96) ; 297.76,88.8 v1(297.76,89.77) ; 249.75,28.79 v1(249.75,29.76) ; 142.65,55.94 v1(142.65,54.96) ; D772.2 v1(170.65,122.94) ; 142.62,159.99 v1(142.62,159.01) ; 62.65,75.94 v1(62.65,74.96) ; 293.76,160.84 v1(293.76,161.82) ; 233.74,64.85 v1(233.74,65.82) ; 138.65,31.94 v1(138.65,30.96) ; 94.65,35.94 v1(94.65,34.96) ; 265.76,152.86 v1(265.76,153.83) ; 118.65,123.94 v1(118.65,122.96) ; 122.65,55.94 v1(122.65,54.96) ; D1567.2 v1(225.75,205.79) ; 313.75,148.84 v1(313.75,149.81) ; 102.65,163.94 v1(102.65,162.96) ; 269.75,120.79 v1(269.75,121.76) ; 293.76,172.84 v1(293.76,173.81) ; 217.75,16.79 v1(217.75,17.76) ; 162.62,159.96 v1(162.62,158.99) ; 349.76,104.82 v1(349.76,105.8) ; 142.65,63.94 v1(142.65,62.96) ; 241.76,184.8 v1(241.76,185.78) ; 289.76,168.81 v1(289.76,169.79) ; 22.65,119.94 v1(22.65,118.96) ; 126.65,99.99 v1(126.65,99.01) ; 70.65,35.94 v1(70.65,34.96) ; D2627.2 v1(345.75,81.79) ; 146.65,115.99 v1(146.65,115.01) ; 86.65,31.94 v1(86.65,30.96) ; 281.76,156.82 v1(281.76,157.8) ; 269.75,176.78 v1(269.75,177.75) ; 22.65,83.94 v1(22.65,82.96) ; D330.2 v1(146.65,174.94) ; 305.76,188.82 v1(305.76,189.8) ; D2866.2 v1(225.75,37.79) ; 253.75,104.81 v1(253.75,105.78) ; 66.65,215.96 v1(66.65,214.99) ; 134.65,151.94 v1(134.65,150.96) ; 70.65,215.96 v1(70.65,214.99) ; 54.65,87.94 v1(54.65,86.96) ; 241.75,196.79 v1(241.75,197.76) ; 122.65,79.96 v1(122.65,78.99) ; 54.65,39.94 v1(54.65,38.96) ; 38.65,167.94 v1(38.65,166.96) ; 329.75,128.84 v1(329.75,129.81) ; 78.65,179.99 v1(78.65,179.01) ; 201.76,180.78 v1(201.76,181.75) ; 245.75,20.84 v1(245.75,21.81) ; 138.65,99.96 v1(138.65,98.99) ; 70.65,107.94 v1(70.65,106.96) ; 162.65,123.94 v1(162.65,122.96) ; 58.62,159.96 v1(58.62,158.99) ; 110.65,207.96 v1(110.65,206.99) ; 353.75,80.79 v1(353.75,81.76) ; D2569.2 v1(217.75,85.79) ; D1216.2 v1(54.65,66.94) ; 293.75,96.8 v1(293.75,97.78) ; D1440.2 v1(122.65,26.94) ; 249.75,164.78 v1(249.75,165.75) ; 50.65,215.94 v1(50.65,214.96) ; 205.76,184.78 v1(205.76,185.75) ; 146.65,187.94 v1(146.65,186.96) ; 285.76,160.82 v1(285.76,161.79) ; 50.65,211.96 v1(50.65,210.99) ; 274.03,60.84 v1(274.03,61.81) ; D539.2 v1(150.65,150.94) ; 293.74,208.81 v1(293.74,209.79) ; D2098.2 v1(281.75,141.79) ; 46.65,147.94 v1(46.65,146.96) ; D2362.2 v1(337.75,113.79) ; 146.65,15.94 v1(146.65,14.96) ; D2937.2 v1(221.75,25.79) ; 62.65,79.94 v1(62.65,78.96) ; 74.65,215.94 v1(74.65,214.96) ; 213.75,60.79 v1(213.75,61.76) ; 58.65,203.96 v1(58.65,202.99) ; 122.65,171.99 v1(122.65,171.01) ; D2165.2 v1(265.75,133.79) ; 90.65,203.94 v1(90.65,202.96) ; D2395.2 v1(321.75,109.79) ; 86.65,163.96 v1(86.65,162.99) ; 301.76,184.79 v1(301.76,185.76) ; 74.62,159.99 v1(74.62,159.01) ; 50.65,115.94 v1(50.65,114.96) ; 158.65,119.94 v1(158.65,118.96) ; 249.76,148.79 v1(249.76,149.76) ; 110.65,95.99 v1(110.65,95.01) ; 265.75,148.84 v1(265.75,149.81) ; 170.65,111.94 v1(170.65,110.96) ; D2693.2 v1(345.75,73.79) ; 78.65,203.96 v1(78.65,202.99) ; 305.75,96.8 v1(305.75,97.78) ; 269.75,124.79 v1(269.75,125.76) ; 138.65,35.94 v1(138.65,34.96) ; 66.65,191.99 v1(66.65,191.01) ; 325.76,136.81 v1(325.76,137.79) ; 297.75,196.84 v1(297.75,197.81) ; 150.65,27.94 v1(150.65,26.96) ; 102.65,167.94 v1(102.65,166.96) ; 261.76,208.83 v1(261.76,209.81) ; 225.76,132.81 v1(225.76,133.79) ; 58.65,163.96 v1(58.65,162.99) ; 341.75,116.8 v1(341.75,117.78) ; 317.75,116.78 v1(317.75,117.75) ; 213.75,24.79 v1(213.75,25.76) ; 22.65,111.94 v1(22.65,110.96) ; 82.65,167.96 v1(82.65,166.99) ; 90.65,191.94 v1(90.65,190.96) ; 321.76,88.85 v1(321.76,89.82) ; 54.65,147.94 v1(54.65,146.96) ; 126.65,211.96 v1(126.65,210.99) ; D2763.2 v1(217.75,57.79) ; D2782.2 v1(225.75,53.79) ; 297.75,148.86 v1(297.75,149.84) ; 62.65,163.96 v1(62.65,162.99) ; 281.75,116.8 v1(281.75,117.78) ; 221.77,176.82 v1(221.77,177.8) ; D2930.2 v1(285.75,29.79) ; D2919.2 v1(229.75,29.79) ; 118.65,187.96 v1(118.65,186.99) ; 126.65,171.99 v1(126.65,171.01) ; 114.65,199.99 v1(114.65,199.01) ; 170.65,187.99 v1(170.65,187.01) ; 233.75,104.81 v1(233.75,105.78) ; 317.75,176.78 v1(317.75,177.75) ; 46.65,35.94 v1(46.65,34.96) ; 102.65,111.99 v1(102.65,111.01) ; 62.65,175.94 v1(62.65,174.96) ; D2619.2 v1(313.75,81.79) ; 146.62,159.94 v1(146.62,158.96) ; 54.65,91.94 v1(54.65,90.96) ; 313.75,212.79 v1(313.75,213.77) ; 162.65,87.94 v1(162.65,86.96) ; D2705.2 v1(245.75,69.79) ; 34.65,111.94 v1(34.65,110.96) ; D2286.2 v1(321.75,121.79) ; 70.65,175.94 v1(70.65,174.96) ; 241.75,200.8 v1(241.75,201.77) ; D2798.2 v1(221.75,49.79) ; D2865.2 v1(221.75,37.79) ; 305.75,132.79 v1(305.75,133.76) ; 42.65,71.94 v1(42.65,70.96) ; 122.65,39.94 v1(122.65,38.96) ; 277.75,192.8 v1(277.75,193.77) ; D2903.2 v1(273.75,33.79) ; 146.65,179.94 v1(146.65,178.96) ; D1863.2 v1(221.75,169.79) ; 62.65,143.94 v1(62.65,142.96) ; 197.76,184.8 v1(197.76,185.78) ; 66.65,75.94 v1(66.65,74.96) ; 209.75,72.79 v1(209.75,73.76) ; 102.65,127.96 v1(102.65,126.99) ; 90.65,127.96 v1(90.65,126.99) ; D2766.2 v1(229.75,57.79) ; 70.65,155.94 v1(70.65,154.96) ; 297.75,108.79 v1(297.75,109.76) ; 309.76,84.82 v1(309.76,85.8) ; 313.75,64.8 v1(313.75,65.77) ; 118.65,195.99 v1(118.65,195.01) ; 337.76,172.83 v1(337.76,173.8) ; 337.76,176.85 v1(337.76,177.82) ; D2488.2 v1(261.75,97.79) ; D1070.2 v1(74.65,86.94) ; 241.75,108.82 v1(241.75,109.8) ; 82.65,207.99 v1(82.65,207.01) ; 142.65,175.96 v1(142.65,174.99) ; 265.75,108.79 v1(265.75,109.76) ; 150.65,135.94 v1(150.65,134.96) ; 225.77,176.85 v1(225.77,177.82) ; 285.75,192.82 v1(285.75,193.8) ; 241.76,192.81 v1(241.76,193.78) ; D2.2 v1(46.65,214.94) ; D2947.2 v1(273.75,25.79) ; 305.76,160.79 v1(305.76,161.77) ; 229.75,168.84 v1(229.75,169.81) ; 253.77,176.8 v1(253.77,177.77) ; 209.75,48.79 v1(209.75,49.76) ; 150.65,167.94 v1(150.65,166.96) ; 277.75,36.79 v1(277.75,37.76) ; 166.65,55.94 v1(166.65,54.96) ; 317.75,192.82 v1(317.75,193.8) ; D2518.2 v1(249.75,93.79) ; D2210.2 v1(309.75,129.79) ; 309.75,76.79 v1(309.75,77.76) ; 205.76,152.8 v1(205.76,153.77) ; 102.65,27.94 v1(102.65,26.96) ; 277.76,184.81 v1(277.76,185.79) ; D629.2 v1(170.65,138.94) ; 110.65,211.96 v1(110.65,210.99) ; 174.62,159.94 v1(174.62,158.96) ; D2748.2 v1(229.75,61.79) ; 70.65,179.96 v1(70.65,178.99) ; 229.75,156.84 v1(229.75,157.81) ; 269.75,132.79 v1(269.75,133.76) ; 277.75,48.84 v1(277.75,49.81) ; 201.76,152.8 v1(201.76,153.77) ; 221.76,208.83 v1(221.76,209.81) ; 54.65,183.94 v1(54.65,182.96) ; 142.65,71.94 v1(142.65,70.96) ; 305.75,64.82 v1(305.75,65.8) ; 213.75,28.79 v1(213.75,29.76) ; 305.76,156.8 v1(305.76,157.77) ; 154.65,191.96 v1(154.65,190.99) ; 86.65,199.99 v1(86.65,199.01) ; 301.75,116.78 v1(301.75,117.75) ; 158.65,139.96 v1(158.65,138.99) ; 166.65,103.94 v1(166.65,102.96) ; 54.65,115.94 v1(54.65,114.96) ; 313.76,180.78 v1(313.76,181.75) ; 94.65,135.99 v1(94.65,135.01) ; 205.75,136.79 v1(205.75,137.76) ; 297.76,168.84 v1(297.76,169.81) ; 201.75,200.82 v1(201.75,201.8) ; 241.74,140.8 v1(241.74,141.77) ; 317.76,168.79 v1(317.76,169.76) ; 273.77,52.81 v1(273.77,53.79) ; 277.75,28.79 v1(277.75,29.76) ; 241.75,172.82 v1(241.75,173.8) ; 86.65,39.94 v1(86.65,38.96) ; 74.65,119.94 v1(74.65,118.96) ; 345.76,116.81 v1(345.76,117.79) ; 122.65,43.94 v1(122.65,42.96) ; D2243.2 v1(285.75,125.79) ; 333.75,144.84 v1(333.75,145.81) ; D2099.2 v1(285.75,141.79) ; 58.65,179.96 v1(58.65,178.99) ; 130.65,35.94 v1(130.65,34.96) ; 309.74,92.79 v1(309.74,93.77) ; 82.65,155.94 v1(82.65,154.96) ; 237.76,132.79 v1(237.76,133.76)
